# KiCad board USB Cable Tester.kicad_pcb (continued)
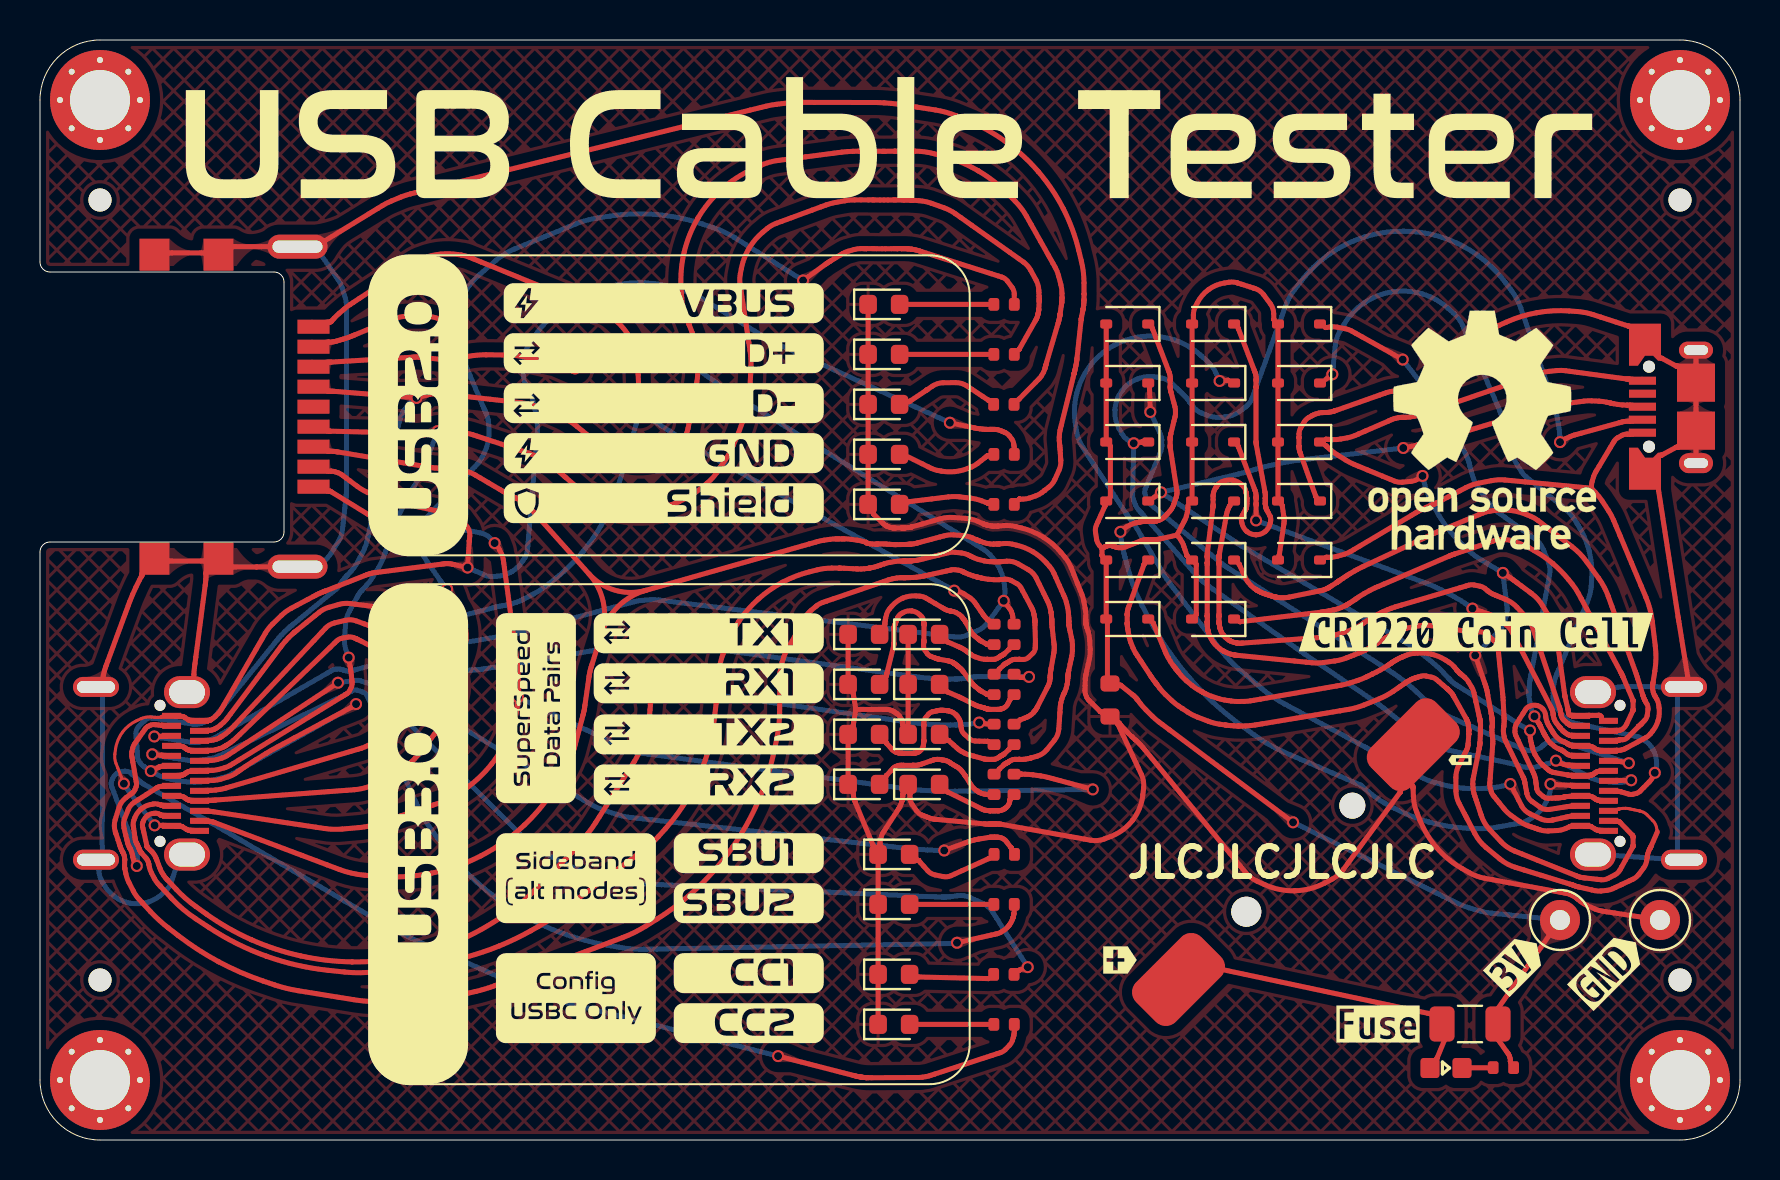
[diagram p0: board, top side]
## Routing (per net, layer and track width the routed paths; a pad name or vN(x,y) marks a point on that pad's centre or on a via; arc(x,y) is an arc through that point) (continued)
/CC1: length 48.5
  Top w0.25: 48.97,8.49 48.97,8.49 arc(48.97,8.49) 48.97,8.49 arc(48.97,8.49) 48.97,8.49 v1(49.39,8.64) ; v1(14.9,22.86) 9.68,19.43 9.34,19.21 arc(9.23,19.15) 9.1,19.1 8.85,19.02 arc(8.72,18.99) 8.58,18.98 8.39,18.98 arc(8.33,18.98) 8.26,18.98 J2.A5
  Bottom w0.25: v1(49.39,8.64) 47.63,11.4 arc(47.42,11.65) 47.14,11.83 46.52,12.12 arc(46.21,12.21) 45.88,12.22 45.48,12.16 arc(45.43,12.16) 45.39,12.15 45.3,12.15 arc(45.26,12.15) 45.22,12.15 45.14,12.15 arc(45.11,12.15) 45.08,12.15 44.77,12.16 arc(44.44,12.17) 44.1,12.18 31.09,12.77 29.71,12.83 arc(29.26,12.87) 28.81,12.95 28.36,13.06 arc(27.48,13.3) 26.63,13.63 arc(25.81,14.04) 25.03,14.52 24.65,14.78 arc(24.28,15.05) 23.94,15.36 22.96,16.33 16.83,22.43 16.53,22.73 arc(16.42,22.81) 16.3,22.87 16.04,22.96 arc(15.9,22.99) 15.76,22.98 15.64,22.96 arc(15.63,22.96) 15.62,22.96 arc(15.61,22.96) 15.6,22.96 arc(15.59,22.95) 15.58,22.95 v1(14.9,22.86)
/CC2: length 59.7
  Top w0.25: v1(36.9,4.2) 40.78,3.2 arc(40.81,3.19) 40.85,3.18 40.93,3.17 arc(40.96,3.16) 41,3.16 41.12,3.14 arc(41.14,3.13) 41.17,3.13 41.22,3.13 arc(41.24,3.12) 41.26,3.12 41.32,3.12 arc(41.33,3.12) 41.33,3.12 arc(41.34,3.12) 41.35,3.12 41.42,3.11 arc(41.5,3.11) 41.58,3.11 43.6,3.13 arc(43.62,3.13) 43.63,3.13 arc(43.65,3.13) 43.67,3.13 43.72,3.12 arc(43.73,3.12) 43.75,3.12 43.76,3.12 arc(43.76,3.13) 43.77,3.13 arc(43.77,3.13) 43.78,3.13 43.79,3.13 arc(43.81,3.13) 43.82,3.13 43.94,3.13 arc(44.03,3.13) 44.12,3.14 44.29,3.17 arc(44.38,3.18) 44.47,3.21 44.72,3.29 48.02,4.37 arc(48.16,4.43) 48.27,4.52 48.48,4.74 arc(48.57,4.86) 48.63,4.99 48.67,5.14 arc(48.67,5.14) 48.67,5.14 arc(48.67,5.14) 48.67,5.14 48.68,5.2 48.69,5.23 arc(48.7,5.26) 48.7,5.29 48.71,5.36 arc(48.71,5.39) 48.71,5.43 48.71,5.46 ; v1(4.84,13.7) 4.75,13.85 arc(4.72,13.9) 4.7,13.95 4.67,14.05 arc(4.65,14.1) 4.64,14.15 4.62,14.27 arc(4.61,14.32) 4.59,14.37 4.56,14.46 arc(4.54,14.51) 4.52,14.55 4.47,14.64 arc(4.45,14.68) 4.43,14.71 4.4,14.79 arc(4.39,14.82) 4.38,14.86 4.2,15.61 arc(4.18,15.84) 4.23,16.07 4.41,16.52 arc(4.53,16.72) 4.7,16.88 5.32,17.27 5.86,17.62 arc(5.89,17.64) 5.93,17.65 5.99,17.67 arc(6.03,17.68) 6.07,17.68 6.16,17.68 arc(6.23,17.68) 6.29,17.69 J2.B5
  Bottom w0.25: v1(36.9,4.2) 27.27,6.63 26.26,6.88 arc(25.93,6.97) 25.6,7.08 24.94,7.3 arc(24.61,7.42) 24.29,7.56 23.34,7.98 18.92,9.93 18.4,10.16 arc(18.23,10.24) 18.06,10.32 17.72,10.5 arc(17.56,10.58) 17.39,10.68 8.62,15.82 arc(8.61,15.83) 8.6,15.83 arc(8.6,15.84) 8.59,15.84 5.2,17.78 5.15,17.81 arc(5.14,17.82) 5.12,17.83 5.09,17.86 arc(5.07,17.87) 5.06,17.88 4.53,18.35 arc(4.44,18.41) 4.34,18.43 4.24,18.44 arc(4.03,18.42) 3.84,18.33 arc(3.7,18.19) 3.6,18 3.57,17.9 arc(3.55,17.8) 3.57,17.7 3.69,17.4 4.48,15.27 arc(4.49,15.27) 4.49,15.26 arc(4.49,15.25) 4.5,15.24 4.7,14.73 4.81,14.44 arc(4.84,14.34) 4.86,14.23 4.88,14.03 arc(4.88,13.92) 4.86,13.82 4.84,13.72 arc(4.84,13.72) 4.84,13.71 v1(4.84,13.7)
/D+: length 77.9
  Top w0.25: v1(15.43,24.12) 15.52,23.6 arc(15.54,23.5) 15.55,23.41 15.57,23.22 arc(15.58,23.12) 15.59,23.03 15.6,22.81 arc(15.6,22.72) 15.56,22.63 15.48,22.46 arc(15.42,22.38) 15.35,22.32 9.94,19 9.53,18.74 arc(9.39,18.67) 9.24,18.61 8.93,18.53 arc(8.77,18.49) 8.61,18.48 8.39,18.48 arc(8.33,18.48) 8.26,18.48 7.69,18.44 arc(7.63,18.43) 7.56,18.43 7.5,18.43 arc(7.49,18.43) 7.49,18.43 7.48,18.43 arc(7.48,18.43) 7.47,18.43 7.4,18.41 arc(7.38,18.4) 7.36,18.4 7.33,18.37 arc(7.31,18.36) 7.29,18.35 7.28,18.34 arc(7.28,18.34) 7.28,18.33 arc(7.27,18.33) 7.27,18.33 7.26,18.32 arc(7.24,18.3) 7.23,18.29 7.19,18.27 arc(7.17,18.26) 7.15,18.26 7.09,18.24 arc(7.08,18.24) 7.08,18.24 arc(7.08,18.24) 7.07,18.23 7.06,18.23 arc(7.06,18.23) 7.06,18.23 6.99,18.23 arc(6.93,18.23) 6.86,18.23 J2.B6 ; 48.96,39.54 48.96,39.54 arc(48.96,39.54) 48.96,39.54 48.96,39.54 arc(48.96,39.54) 48.96,39.54 48.96,39.55 arc(48.97,39.55) 48.97,39.55 arc(48.97,39.55) 48.97,39.55 49.75,40.94 49.8,41.02 arc(49.82,41.05) 49.83,41.08 49.86,41.14 arc(49.87,41.17) 49.88,41.21 49.89,41.27 arc(49.9,41.3) 49.91,41.34 49.91,41.34 arc(49.92,41.37) 49.92,41.39 49.93,41.43 arc(49.93,41.45) 49.93,41.47 49.94,41.5 arc(49.94,41.51) 49.94,41.53 arc(49.94,41.55) 49.94,41.56 49.96,41.95 arc(49.96,41.97) 49.96,41.98 49.96,42 arc(49.96,42.01) 49.96,42.02 49.94,42.48 arc(49.9,42.75) 49.8,43 49.53,43.49 arc(49.38,43.71) 49.17,43.9 48.49,44.38 46.57,45.74 45.77,46.31 arc(45.5,46.48) 45.2,46.61 44.58,46.83 arc(44.27,46.92) 43.95,46.97 43.53,47 arc(43.49,47) 43.44,47 43.35,47 arc(43.3,47) 43.26,47 43.23,47 arc(43.21,47) 43.2,47 arc(43.19,47) 43.17,47 43.16,47 arc(43.14,47) 43.11,47 42.79,47 arc(42.76,47) 42.73,47 arc(42.7,47) 42.67,47 42.4,47 arc(42.3,47) 42.19,47 arc(42.09,47) 41.99,47 41.71,47 arc(41.69,47) 41.66,47 arc(41.63,47) 41.61,47 40.74,47.01 arc(40.5,46.99) 40.25,46.96 39.77,46.88 arc(39.53,46.82) 39.3,46.75 38.6,46.49 37.57,46.11 36.81,45.83 arc(36.57,45.72) 36.35,45.57 36.14,45.39 arc(35.76,45.01) 35.45,44.58 arc(35.22,44.1) 35.07,43.58 35.02,43.31 arc(34.99,43.05) 35.01,42.78 35.13,41.98 35.5,39.48 arc(35.54,39.07) 35.55,38.67 35.53,38.26 arc(35.46,37.45) 35.32,36.65 arc(35.11,35.87) 34.82,35.11 34.66,34.73 arc(34.48,34.37) 34.27,34.02 34.05,33.69 arc(34.05,33.68) 34.04,33.67 arc(34.03,33.66) 34.03,33.65 33.84,33.37 arc(33.63,33.1) 33.38,32.86 33.12,32.64 arc(32.56,32.24) 31.95,31.92 arc(31.3,31.68) 30.63,31.55 arc(29.94,31.5) 29.26,31.56 arc(28.59,31.71) 27.94,31.95 27.63,32.09 arc(27.33,32.26) 27.05,32.46 25.69,33.64 arc(25.51,33.78) 25.31,33.91 24.89,34.15 arc(24.68,34.25) 24.46,34.34 23.78,34.56 22.35,35.03 21.64,35.26 arc(21.4,35.33) 21.16,35.37 20.66,35.44 arc(20.41,35.46) 20.16,35.46 v1(19.88,35.44) 19.22,35.27 arc(19.13,35.25) 19.04,35.24 18.85,35.23 arc(18.76,35.22) 18.67,35.23 17.98,35.32 arc(17.87,35.33) 17.75,35.34 17.53,35.36 arc(17.41,35.37) 17.3,35.37 16.96,35.38 14.52,35.44 arc(14.5,35.44) 14.49,35.44 arc(14.47,35.44) 14.46,35.44 14.41,35.44 arc(14.35,35.45) 14.29,35.46 13.68,35.67
  Bottom w0.25: v1(19.88,35.44) 19.32,33.96 19.25,33.77 arc(19.17,33.59) 19.09,33.41 18.91,33.05 arc(18.82,32.88) 18.71,32.71 18.54,32.44 arc(18.49,32.36) 18.45,32.28 18.36,32.12 arc(18.32,32.04) 18.28,31.96 17.89,31.1 arc(17.88,31.08) 17.87,31.06 17.85,31.01 arc(17.84,30.99) 17.83,30.96 17.81,30.89 17.26,29.36 17.16,29.1 arc(17.06,28.85) 16.92,28.61 16.63,28.14 arc(16.48,27.91) 16.3,27.7 16.06,27.45 arc(16.03,27.42) 16.01,27.39 15.96,27.33 arc(15.94,27.3) 15.92,27.26 15.72,26.89 15.48,26.45 arc(15.35,26.14) 15.28,25.81 15.23,25.13 arc(15.23,24.79) 15.31,24.47 v1(15.43,24.12)
/D-: length 107.4
  Top w0.25: 48.95,37.04 48.95,37.04 arc(48.95,37.04) 48.95,37.04 48.95,37.04 arc(48.95,37.04) 48.95,37.04 49.97,38.08 arc(50.03,38.15) 50.08,38.22 50.17,38.38 arc(50.21,38.46) 50.24,38.55 50.28,38.7 arc(50.28,38.7) 50.28,38.7 arc(50.28,38.71) 50.28,38.71 50.28,38.72 arc(50.29,38.73) 50.29,38.74 50.3,38.78 arc(50.31,38.82) 50.33,38.87 50.93,40.93 arc(50.94,40.97) 50.95,41.01 50.97,41.08 arc(50.98,41.12) 50.98,41.15 50.99,41.18 arc(50.99,41.19) 50.99,41.2 arc(50.99,41.2) 50.99,41.21 50.99,41.23 arc(50.99,41.24) 51,41.25 arc(51,41.27) 51,41.28 51,41.28 arc(51,41.29) 51,41.31 51.07,41.72 arc(51.07,41.77) 51.08,41.81 51.09,41.85 arc(51.09,41.86) 51.09,41.86 arc(51.09,41.86) 51.09,41.86 51.09,41.89 arc(51.09,41.92) 51.09,41.95 51.1,42.01 arc(51.1,42.04) 51.1,42.07 51.1,42.33 arc(51.08,42.56) 51.04,42.78 50.93,43.22 arc(50.85,43.43) 50.76,43.64 49.56,45.77 49.32,46.19 arc(49.06,46.59) 48.75,46.95 48.42,47.29 arc(47.7,47.92) 46.91,48.46 arc(46.06,48.88) 45.16,49.19 44.7,49.32 arc(44.23,49.41) 43.75,49.44 42.78,49.44 42.74,49.44 arc(42.72,49.44) 42.7,49.44 42.26,49.44 arc(42.23,49.44) 42.19,49.44 arc(42.16,49.44) 42.13,49.44 41.69,49.44 arc(41.67,49.44) 41.65,49.44 arc(41.62,49.44) 41.6,49.44 41.21,49.44 arc(41.17,49.44) 41.14,49.44 41.12,49.44 arc(41.1,49.44) 41.09,49.44 40.93,49.44 arc(40.79,49.44) 40.65,49.44 40.37,49.42 arc(40.23,49.41) 40.09,49.39 39.67,49.34 36.9,48.98 arc(36.45,48.88) 36.02,48.72 35.6,48.53 arc(34.8,48.08) 34.07,47.52 arc(33.43,46.86) 32.9,46.11 arc(32.49,45.28) 32.21,44.41 arc(32.07,43.5) 32.06,42.58 32.09,42.12 arc(32.15,41.66) 32.28,41.22 32.44,40.8 arc(32.45,40.79) 32.45,40.78 arc(32.46,40.76) 32.46,40.75 32.61,40.37 arc(32.73,39.96) 32.8,39.54 32.88,38.7 arc(32.88,38.27) 32.83,37.85 32.59,36.57 32.4,35.58 arc(32.3,35.27) 32.12,35 31.91,34.75 arc(31.42,34.31) 30.85,34.01 arc(30.21,33.87) 29.56,33.89 29.23,33.95 arc(28.92,34.04) 28.64,34.21 27.88,34.84 26.84,35.69 arc(26.42,35.98) 25.97,36.21 25.03,36.61 arc(24.55,36.77) 24.05,36.86 23.54,36.92 22.52,37.04 20.01,37.32 arc(19.92,37.33) 19.83,37.33 19.65,37.31 arc(19.57,37.3) 19.48,37.28 v1(18.82,37.1) 14.79,37.43 14.69,37.43 arc(14.66,37.44) 14.63,37.44 14.57,37.44 arc(14.54,37.44) 14.51,37.44 14.41,37.44 arc(14.35,37.45) 14.29,37.46 13.68,37.67 ; v1(5.54,18.45) 5.54,18.45 arc(5.55,18.45) 5.55,18.45 5.56,18.45 arc(5.56,18.46) 5.57,18.46 5.92,18.63 arc(5.93,18.63) 5.93,18.64 5.94,18.64 arc(5.94,18.64) 5.95,18.64 arc(5.95,18.65) 5.96,18.65 5.97,18.66 arc(5.99,18.66) 6.01,18.67 6.04,18.68 arc(6.06,18.68) 6.08,18.68 6.16,18.68 arc(6.23,18.68) 6.29,18.69 J2.B7 ; v1(15.8,21.8) 15.8,21.79 arc(15.79,21.79) 15.79,21.79 15.77,21.77 arc(15.74,21.75) 15.71,21.73 15.65,21.69 arc(15.62,21.67) 15.59,21.65 15.5,21.6 12.69,20.09 11.86,19.65 arc(11.59,19.49) 11.32,19.33 10.78,19.01 arc(10.51,18.84) 10.25,18.66 9.78,18.34 arc(9.61,18.24) 9.42,18.16 9.04,18.04 arc(8.85,18) 8.65,17.98 8.39,17.98 arc(8.33,17.98) 8.26,17.98 J2.A7
  Bottom w0.25: v1(18.82,37.1) 18.81,37.1 arc(18.81,37.09) 18.8,37.09 18.66,37 arc(18.52,36.89) 18.4,36.76 18.19,36.47 arc(18.1,36.32) 18.04,36.16 17.89,35.64 16.77,31.71 arc(16.73,31.56) 16.69,31.41 arc(16.65,31.25) 16.62,31.1 16.34,29.92 arc(16.26,29.65) 16.14,29.39 15.87,28.88 arc(15.72,28.64) 15.54,28.42 15.29,28.15 arc(15.25,28.11) 15.22,28.07 15.15,27.99 arc(15.12,27.95) 15.09,27.91 15.07,27.87 arc(15.06,27.86) 15.06,27.85 arc(15.06,27.85) 15.05,27.84 15.02,27.8 arc(14.99,27.75) 14.95,27.7 14.87,27.61 arc(14.83,27.57) 14.78,27.53 14.65,27.41 12.6,25.74 arc(12.57,25.71) 12.53,25.68 12.5,25.66 arc(12.5,25.65) 12.49,25.65 12.4,25.57 arc(12.32,25.5) 12.24,25.42 12.08,25.26 arc(12,25.17) 11.93,25.09 8.8,21.23 arc(8.65,21.09) 8.47,20.99 8.07,20.84 arc(7.87,20.79) 7.67,20.79 7.04,20.89 6.02,21.05 arc(5.95,21.06) 5.88,21.07 5.81,21.08 arc(5.81,21.08) 5.81,21.08 5.6,21.1 arc(5.4,21.08) 5.24,20.97 4.93,20.68 arc(4.83,20.52) 4.8,20.32 4.84,19.69 4.88,19.15 arc(4.9,19.06) 4.93,18.99 5.02,18.84 arc(5.07,18.77) 5.13,18.72 5.21,18.67 arc(5.21,18.67) 5.21,18.66 arc(5.21,18.66) 5.21,18.66 v1(5.54,18.45) 5.55,18.44 arc(5.55,18.44) 5.56,18.43 5.8,18.3 arc(6.06,18.18) 6.33,18.1 6.61,18.03 arc(7.16,17.92) 7.73,17.89 arc(8.29,17.93) 8.85,18.04 9.12,18.11 arc(9.39,18.2) 9.65,18.33 10.39,18.74 15.52,21.61 15.61,21.66 arc(15.64,21.68) 15.66,21.69 15.72,21.73 arc(15.74,21.75) 15.77,21.77 15.79,21.79 arc(15.79,21.79) 15.8,21.79 v1(15.8,21.8)
/RX1+: length 73.3
  Top w0.25: 47.96,23.54 47.96,23.54 arc(47.96,23.54) 47.96,23.54 47.96,23.54 arc(47.97,23.54) 47.97,23.54 48.2,23.77 arc(48.21,23.78) 48.22,23.78 48.24,23.8 arc(48.25,23.81) 48.26,23.81 48.28,23.82 arc(48.28,23.82) 48.29,23.82 48.3,23.83 arc(48.32,23.84) 48.34,23.85 48.35,23.86 arc(48.37,23.87) 48.38,23.88 arc(48.4,23.89) 48.42,23.9 48.54,23.98 arc(48.57,23.99) 48.6,24 48.66,24.02 arc(48.7,24.03) 48.73,24.03 48.94,24.03 arc(48.95,24.03) 48.95,24.03 48.96,24.03 arc(48.97,24.03) 48.97,24.03 48.97,24.03 arc(48.97,24.03) 48.98,24.03 arc(48.98,24.03) 48.98,24.03 48.99,24.03 arc(48.99,24.03) 49,24.03 49.01,24.03 arc(49.01,24.03) 49.02,24.03 arc(49.02,24.03) 49.03,24.03 49.17,24.03 arc(49.31,24.06) 49.43,24.13 49.65,24.34 arc(49.73,24.46) 49.76,24.6 49.77,24.86 arc(49.77,24.88) 49.77,24.9 arc(49.77,24.93) 49.77,24.95 49.75,25.75 arc(49.75,25.8) 49.75,25.86 49.75,25.9 arc(49.75,25.91) 49.75,25.92 arc(49.75,25.92) 49.75,25.93 49.75,25.94 arc(49.75,25.95) 49.75,25.96 49.74,25.98 arc(49.74,25.99) 49.74,26.01 arc(49.74,26.02) 49.74,26.03 49.74,26.03 arc(49.74,26.04) 49.74,26.05 arc(49.73,26.07) 49.73,26.08 49.73,26.09 arc(49.73,26.09) 49.73,26.09 arc(49.73,26.1) 49.73,26.1 49.69,26.31 arc(49.68,26.35) 49.67,26.4 49.64,26.5 arc(49.62,26.54) 49.6,26.59 49.05,27.61 arc(48.96,27.73) 48.84,27.82 48.56,27.97 arc(48.42,28.03) 48.26,28.04 48.11,28.03 arc(48.11,28.03) 48.1,28.03 arc(48.09,28.02) 48.08,28.02 47.96,28.02 arc(47.82,28.01) 47.69,28.02 47.43,28.04 arc(47.3,28.05) 47.17,28.08 46.82,28.16 arc(46.73,28.18) 46.64,28.21 46.46,28.28 arc(46.37,28.31) 46.28,28.35 46.09,28.44 arc(46.01,28.48) 45.92,28.49 45.75,28.51 arc(45.66,28.52) 45.57,28.5 44.19,28.2 arc(44.1,28.18) 44.01,28.17 43.84,28.14 arc(43.75,28.13) 43.66,28.13 43.57,28.12 arc(43.57,28.12) 43.57,28.12 43.54,28.12 arc(43.52,28.12) 43.5,28.12 arc(43.48,28.12) 43.47,28.12 43.43,28.12 arc(43.4,28.12) 43.37,28.12 arc(43.34,28.12) 43.31,28.12 43.26,28.12 arc(43.25,28.12) 43.24,28.12 43.21,28.12 arc(43.21,28.12) 43.2,28.12 43.19,28.12 arc(43.19,28.12) 43.18,28.12 43.16,28.12 arc(43.14,28.12) 43.12,28.12 43.01,28.11 arc(42.92,28.11) 42.82,28.1 42.64,28.06 arc(42.55,28.04) 42.46,28.02 42.2,27.93 39.66,27.06 39.14,26.88 arc(38.97,26.8) 38.82,26.7 38.53,26.46 arc(38.4,26.33) 38.3,26.18 38.02,25.69 37.3,24.41 arc(37.24,24.28) 37.19,24.14 37.1,23.87 arc(37.06,23.73) 37.03,23.58 37.01,23.35 arc(37,23.3) 37,23.25 36.99,23.16 arc(36.99,23.11) 36.99,23.07 36.99,22.8 arc(36.99,22.76) 36.99,22.72 arc(36.99,22.67) 36.99,22.63 36.98,21.38 arc(36.94,20.73) 36.84,20.08 36.7,19.43 arc(36.37,18.16) 35.91,16.94 arc(35.33,15.76) 34.63,14.65 arc(33.83,13.61) 32.92,12.66 arc(31.93,11.8) 30.86,11.05 30.3,10.7 arc(29.72,10.38) 29.12,10.12 27.27,9.42 24.2,8.27 22.76,7.72 arc(22.28,7.56) 21.78,7.43 21.28,7.31 arc(20.28,7.11) 19.26,6.97 arc(18.24,6.9) 17.21,6.9 16.7,6.92 arc(16.19,6.95) 15.68,7.02 14.38,7.23 13.8,7.32 12.89,7.47 arc(12.3,7.59) 11.72,7.76 11.15,7.95 arc(10.02,8.39) 8.93,8.91 arc(7.89,9.53) 6.9,10.23 6.42,10.6 arc(5.96,10.99) 5.53,11.42 5.12,11.86 arc(5.12,11.86) 5.11,11.86 arc(5.11,11.87) 5.11,11.87 4.95,12.04 arc(4.79,12.23) 4.67,12.44 4.45,12.88 arc(4.35,13.1) 4.29,13.33 4.24,13.57 arc(4.24,13.57) 4.24,13.58 arc(4.24,13.58) 4.24,13.59 4.24,13.6 arc(4.23,13.62) 4.23,13.63 4.23,13.67 arc(4.23,13.68) 4.23,13.7 4.23,13.98 arc(4.23,13.99) 4.23,14 arc(4.23,14.01) 4.23,14.02 4.23,14.06 arc(4.23,14.11) 4.22,14.16 4.2,14.26 arc(4.18,14.31) 4.16,14.35 4.13,14.4 arc(4.13,14.41) 4.12,14.42 4.11,14.44 arc(4.09,14.48) 4.08,14.51 4.05,14.58 arc(4.03,14.61) 4.02,14.65 3.77,15.41 arc(3.72,15.72) 3.76,16.02 3.95,16.62 arc(4.09,16.9) 4.3,17.12 4.64,17.37 arc(4.7,17.43) 4.74,17.51 4.81,17.67 arc(4.83,17.75) 4.82,17.84 4.78,18.09 4.64,18.91 4.59,19.21 arc(4.58,19.31) 4.59,19.41 4.64,19.61 arc(4.67,19.7) 4.72,19.79 5.28,20.58 arc(5.33,20.64) 5.4,20.68 5.54,20.75 arc(5.61,20.77) 5.69,20.77 6.09,20.73 arc(6.09,20.73) 6.09,20.73 arc(6.09,20.73) 6.09,20.73 6.1,20.73 arc(6.1,20.73) 6.1,20.73 6.16,20.73 arc(6.23,20.73) 6.29,20.73 J2.B11
/RX1-: length 46.4
  Top w0.25: v1(5.71,20.18) 5.78,20.18 arc(5.78,20.18) 5.78,20.18 arc(5.78,20.18) 5.78,20.18 6.1,20.18 arc(6.1,20.18) 6.1,20.18 6.16,20.18 arc(6.23,20.18) 6.29,20.19 J2.B10 ; v1(49.45,23.16) 49.13,23.14 arc(49.11,23.13) 49.09,23.13 49.08,23.13 arc(49.06,23.13) 49.04,23.13 49.03,23.13 arc(49.02,23.13) 49.02,23.13 49.02,23.13 arc(49.02,23.13) 49.02,23.13
  Bottom w0.25: v1(49.45,23.16) 47.08,23.17 46.92,23.17 arc(46.86,23.17) 46.81,23.16 46.7,23.15 arc(46.65,23.15) 46.59,23.14 46.43,23.11 arc(46.34,23.09) 46.25,23.08 46.07,23.07 arc(45.98,23.06) 45.89,23.05 45.72,23.05 45.51,23.05 arc(45.26,23.05) 45.01,23.06 44.5,23.08 arc(44.25,23.1) 44,23.13 43.25,23.24 30.83,24.94 arc(30.75,24.95) 30.66,24.95 30.49,24.95 arc(30.4,24.94) 30.32,24.93 30.07,24.89 23.83,23.81 arc(23.78,23.8) 23.72,23.79 23.67,23.79 arc(23.66,23.78) 23.65,23.78 23.65,23.78 arc(23.65,23.78) 23.64,23.78 arc(23.64,23.78) 23.64,23.78 22.32,23.58 22.08,23.54 arc(22.01,23.53) 21.93,23.52 21.77,23.51 arc(21.69,23.5) 21.61,23.5 21.37,23.49 20.33,23.46 arc(20.18,23.46) 20.03,23.47 19.73,23.51 arc(19.58,23.53) 19.43,23.56 18.99,23.68 18.1,23.92 arc(18.09,23.93) 18.08,23.93 18.08,23.93 arc(18.07,23.93) 18.06,23.93 arc(18.06,23.94) 18.05,23.94 17.97,23.96 arc(17.88,23.98) 17.79,23.99 17.61,23.99 arc(17.52,23.98) 17.43,23.96 17.16,23.89 15.57,23.46 arc(15.52,23.45) 15.47,23.44 15.38,23.45 arc(15.33,23.45) 15.28,23.46 15.03,23.54 arc(14.96,23.55) 14.89,23.55 14.75,23.53 arc(14.68,23.52) 14.62,23.49 14.44,23.38 9.32,20.44 8.76,20.12 arc(8.57,20.03) 8.37,19.97 7.95,19.9 arc(7.74,19.88) 7.53,19.89 6.9,19.99 6.06,20.11 arc(6.05,20.12) 6.04,20.12 arc(6.03,20.12) 6.02,20.12 5.99,20.13 arc(5.98,20.13) 5.97,20.13 5.96,20.13 arc(5.96,20.13) 5.96,20.13 arc(5.95,20.14) 5.95,20.14 5.92,20.14 arc(5.89,20.15) 5.86,20.16 5.8,20.17 arc(5.77,20.17) 5.74,20.17 v1(5.71,20.18)
/RX2+: length 86.7
  Top w0.25: 28.09,25.34 27.57,23.68 27.55,23.62 arc(27.53,23.55) 27.51,23.49 27.49,23.37 arc(27.47,23.3) 27.46,23.24 27.43,23.05 27.23,21.61 arc(27.22,21.56) 27.21,21.51 27.19,21.42 arc(27.18,21.37) 27.17,21.32 27.08,20.99 26.71,19.59 arc(26.5,18.96) 26.2,18.37 25.86,17.8 arc(25.11,16.71) 24.21,15.74 arc(23.18,14.9) 22.05,14.21 arc(20.84,13.69) 19.56,13.34 arc(18.25,13.17) 16.92,13.18 16.26,13.24 arc(15.6,13.34) 14.97,13.53 13.1,14.23 8.72,15.87 8.64,15.9 arc(8.62,15.91) 8.59,15.92 8.54,15.93 arc(8.51,15.93) 8.48,15.93 8.39,15.93 arc(8.33,15.93) 8.26,15.94 J2.A11 ; 28.09,25.34 arc(28.92,26.69) 30.29,27.48 ; 28.09,25.34 arc(28.16,26.91) 27.45,28.31 ; 27.45,28.31 24.5,31.6 arc(24.42,31.69) 24.32,31.77 24.11,31.92 arc(24.01,31.99) 23.9,32.05 23.76,32.11 arc(23.75,32.12) 23.73,32.13 23.67,32.16 arc(23.59,32.19) 23.51,32.23 23.36,32.31 arc(23.29,32.35) 23.21,32.4 21.76,33.25 arc(21.53,33.36) 21.29,33.44 20.78,33.57 arc(20.53,33.61) 20.27,33.61 19.93,33.6 arc(19.88,33.59) 19.83,33.6 19.73,33.6 arc(19.68,33.61) 19.63,33.61 14.78,34.42 arc(14.74,34.43) 14.69,34.43 14.61,34.44 arc(14.56,34.44) 14.52,34.44 14.41,34.44 arc(14.35,34.45) 14.29,34.46 13.68,34.67 ; 27.45,28.31 arc(28.75,27.49) 30.29,27.48 ; 30.29,27.48 38.47,29.8 38.9,29.93 arc(39.05,29.96) 39.2,29.99 39.49,30.03 arc(39.64,30.05) 39.79,30.05 40.23,30.06 arc(40.39,30.05) 40.55,30.04 40.86,29.99 arc(41.01,29.96) 41.16,29.93 41.3,29.89 arc(41.31,29.88) 41.31,29.87 arc(41.31,29.86) 41.32,29.85 41.37,29.84 arc(41.44,29.82) 41.5,29.81 41.63,29.8 arc(41.7,29.79) 41.76,29.79 41.92,29.8 arc(41.98,29.8) 42.04,29.8 42.17,29.8 arc(42.23,29.8) 42.29,29.8 42.67,29.77 arc(42.69,29.77) 42.7,29.77 42.73,29.77 arc(42.75,29.77) 42.77,29.77 43.06,29.77 arc(43.09,29.77) 43.12,29.77 43.13,29.77 arc(43.15,29.77) 43.17,29.77 arc(43.2,29.77) 43.22,29.77 43.25,29.78 arc(43.3,29.78) 43.35,29.78 43.39,29.78 arc(43.41,29.78) 43.42,29.79 43.55,29.79 arc(43.59,29.8) 43.64,29.8 43.72,29.82 arc(43.76,29.82) 43.81,29.83 44.99,30.15 45.22,30.21 arc(45.45,30.25) 45.69,30.26 46.16,30.22 arc(46.39,30.18) 46.62,30.1 46.84,30 arc(46.86,30) 46.87,29.99 46.9,29.98 arc(46.94,29.96) 46.99,29.95 47.19,29.87 arc(47.27,29.85) 47.35,29.83 47.51,29.8 arc(47.59,29.79) 47.67,29.79 47.86,29.8 arc(47.89,29.8) 47.92,29.8 47.94,29.8 arc(47.95,29.81) 47.96,29.81 48.19,29.82 arc(48.41,29.82) 48.63,29.79 48.84,29.74 arc(49.26,29.61) 49.65,29.41 arc(50,29.16) 50.32,28.86 50.46,28.69 arc(50.6,28.52) 50.7,28.33 51.23,27.13 arc(51.28,27.01) 51.32,26.89 51.38,26.64 arc(51.4,26.51) 51.42,26.38 51.43,26.19 arc(51.43,26.16) 51.44,26.12 51.44,26.11 arc(51.44,26.09) 51.44,26.06 arc(51.44,26.04) 51.44,26.01 51.44,25.96 arc(51.44,25.95) 51.44,25.94 arc(51.44,25.94) 51.44,25.93 51.44,25.91 arc(51.44,25.9) 51.44,25.89 arc(51.44,25.88) 51.44,25.87 51.45,25.79 arc(51.45,25.78) 51.45,25.77 51.45,25.73 arc(51.45,25.71) 51.46,25.69 51.46,25.64 arc(51.47,25.62) 51.47,25.6 51.59,25.01 arc(51.61,24.88) 51.62,24.74 51.62,24.47 arc(51.61,24.34) 51.59,24.2 51.43,23.42 arc(51.42,23.4) 51.42,23.38 51.41,23.34 arc(51.41,23.32) 51.41,23.3 51.39,23.19 arc(51.39,23.18) 51.39,23.16 51.39,23.13 arc(51.39,23.12) 51.39,23.11 51.39,23.1 arc(51.39,23.09) 51.39,23.08 arc(51.39,23.08) 51.39,23.07 51.38,22.98 arc(51.37,22.89) 51.36,22.79 51.31,22.61 arc(51.28,22.51) 51.25,22.42 51.21,22.35 arc(51.21,22.34) 51.2,22.32 arc(51.2,22.31) 51.19,22.3 51.16,22.23 arc(51.12,22.14) 51.09,22.05 51.04,21.87 arc(51.03,21.77) 51.02,21.68 50.99,21.32 50.94,20.54 arc(50.87,20.25) 50.73,19.99 50.34,19.51 arc(50.12,19.31) 49.85,19.19 49.55,19.1 arc(49.55,19.1) 49.55,19.1 arc(49.55,19.1) 49.55,19.1 49.46,19.08 arc(49.46,19.08) 49.46,19.08 49.4,19.07 arc(49.35,19.06) 49.3,19.05 49.19,19.03 arc(49.13,19.03) 49.08,19.03 49.03,19.03 arc(49.02,19.03) 49.02,19.03 arc(49.01,19.03) 49.01,19.03 49,19.03 arc(48.99,19.03) 48.99,19.03 48.98,19.03 arc(48.98,19.03) 48.98,19.03 arc(48.97,19.03) 48.97,19.03 48.97,19.03 arc(48.97,19.03) 48.96,19.03 48.95,19.03 arc(48.95,19.03) 48.94,19.03 48.73,19.03 arc(48.7,19.03) 48.66,19.02 48.6,19 arc(48.57,18.99) 48.54,18.98 48.43,18.9 arc(48.42,18.9) 48.42,18.9 arc(48.42,18.9) 48.42,18.9 48.41,18.9 arc(48.41,18.89) 48.4,18.89 48.37,18.87 arc(48.36,18.87) 48.36,18.86 48.35,18.86 arc(48.35,18.86) 48.35,18.86 arc(48.35,18.86) 48.35,18.86 48.34,18.85 arc(48.32,18.84) 48.31,18.83 48.29,18.82 arc(48.28,18.82) 48.28,18.82 48.26,18.81 arc(48.25,18.81) 48.24,18.8 48.22,18.78 arc(48.21,18.78) 48.2,18.77 47.97,18.54 arc(47.97,18.54) 47.96,18.54 47.96,18.54 arc(47.96,18.54) 47.96,18.54 47.96,18.54
/RX2-: length 70.2
  Top w0.25: J2.A10 8.26,16.44 arc(8.33,16.43) 8.39,16.43 8.47,16.43 arc(8.49,16.43) 8.51,16.43 8.56,16.43 arc(8.58,16.43) 8.6,16.42 8.66,16.41 14.24,15.57 arc(14.67,15.53) 15.1,15.55 15.96,15.62 arc(16.39,15.68) 16.8,15.8 18.8,16.46 20.1,16.89 arc(20.51,17.07) 20.9,17.3 21.27,17.56 arc(21.97,18.14) 22.58,18.8 arc(23.09,19.55) 23.48,20.37 23.65,20.79 arc(23.79,21.22) 23.86,21.67 v1(23.9,22.14) 23.91,22.24 arc(23.91,22.34) 23.92,22.43 23.92,22.61 arc(23.92,22.71) 23.92,22.8 23.89,23.55 arc(23.89,23.59) 23.89,23.63 23.88,23.7 arc(23.88,23.74) 23.87,23.78 23.86,23.9 23.22,28.6 23.17,29 arc(23.14,29.14) 23.09,29.26 22.98,29.51 arc(22.91,29.63) 22.83,29.74 22.74,29.84 arc(22.74,29.84) 22.73,29.84 v1(22.73,29.85) ; v1(20.2,30.08) 20.14,30.08 19.76,30.06 arc(19.36,30.07) 18.96,30.14 18.17,30.34 arc(17.78,30.47) 17.42,30.65 14.53,32.43 arc(14.53,32.43) 14.52,32.43 14.5,32.44 arc(14.49,32.44) 14.48,32.44 14.41,32.44 arc(14.35,32.45) 14.29,32.46 13.68,32.67 ; v1(52.64,17.53) 50.98,17.97 50.41,18.13 arc(50.22,18.17) 50.03,18.2 49.65,18.26 arc(49.45,18.28) 49.26,18.29 49.05,18.29 arc(49.04,18.29) 49.03,18.29 49.02,18.29
  Bottom w0.25: v1(52.64,17.53) 46.41,17.45 45.4,17.43 arc(45.06,17.44) 44.72,17.45 44.05,17.49 arc(43.72,17.52) 43.38,17.55 42.38,17.69 30.43,19.29 30.03,19.34 arc(29.9,19.37) 29.77,19.4 29.51,19.48 arc(29.38,19.52) 29.26,19.57 28.9,19.75 v1(23.9,22.14) ; v1(22.73,29.85) 22.73,29.85 arc(22.73,29.85) 22.72,29.85 22.52,30.08 arc(22.29,30.26) 22.02,30.36 21.43,30.47 arc(21.13,30.48) 20.85,30.4 v1(20.2,30.08)
/SBU1: length 45.4
  Top w0.25: J2.A8 8.26,17.48 arc(8.33,17.48) 8.39,17.48 8.56,17.48 arc(8.67,17.49) 8.78,17.5 9.01,17.53 arc(9.12,17.55) 9.22,17.58 9.55,17.67 15.54,19.43 16.05,19.58 arc(16.22,19.64) 16.38,19.72 16.69,19.88 arc(16.84,19.97) 16.98,20.08 17.12,20.19 arc(17.12,20.19) 17.13,20.2 arc(17.13,20.2) 17.13,20.21 17.26,20.31 arc(17.38,20.43) 17.48,20.56 17.57,20.71 arc(17.72,21.01) 17.82,21.33 arc(17.87,21.66) 17.87,21.99 17.85,22.16 arc(17.82,22.33) 17.77,22.49 v1(17.69,22.66) ; v1(45.21,14.47) 46.45,14.93 arc(46.52,14.95) 46.59,14.97 46.74,15.01 arc(46.81,15.02) 46.88,15.04 47.43,15.12 arc(47.43,15.12) 47.43,15.12 arc(47.43,15.13) 47.44,15.13 47.46,15.13 arc(47.46,15.13) 47.46,15.13 arc(47.46,15.13) 47.46,15.13 47.5,15.13 arc(47.51,15.14) 47.52,15.14 47.54,15.14 arc(47.55,15.14) 47.56,15.14 arc(47.57,15.14) 47.58,15.14 47.6,15.14 arc(47.62,15.14) 47.65,15.14 47.66,15.14 arc(47.67,15.14) 47.68,15.14 47.69,15.14 arc(47.7,15.14) 47.7,15.14 arc(47.71,15.14) 47.72,15.14 47.72,15.14 arc(47.74,15.14) 47.75,15.14 47.76,15.14 arc(47.78,15.14) 47.81,15.14 47.82,15.14 arc(47.83,15.14) 47.84,15.14 arc(47.85,15.14) 47.86,15.14 47.89,15.14 arc(47.9,15.14) 47.91,15.13 47.94,15.13 arc(47.95,15.13) 47.95,15.13 48.02,15.12 arc(48.07,15.1) 48.12,15.08 48.21,15.03 arc(48.25,15) 48.29,14.96 48.56,14.61 arc(48.56,14.61) 48.56,14.61 arc(48.56,14.61) 48.56,14.6 48.56,14.6 arc(48.56,14.6) 48.56,14.6 48.56,14.6
  Bottom w0.25: v1(17.69,22.66) 17.7,22.65 arc(17.71,22.65) 17.72,22.64 17.75,22.62 arc(17.78,22.6) 17.82,22.58 26.58,17.35 27.5,16.81 arc(27.82,16.64) 28.15,16.51 28.82,16.28 arc(29.17,16.19) 29.52,16.13 30.58,16.01 43.37,14.58 arc(43.62,14.55) 43.88,14.53 44.39,14.5 arc(44.64,14.49) 44.89,14.48 v1(45.21,14.47)
/SBU2: length 52
  Top w0.25: v1(5.61,19.28) 5.62,19.28 arc(5.62,19.28) 5.63,19.28 6.06,19.24 arc(6.06,19.23) 6.07,19.23 6.08,19.23 arc(6.09,19.23) 6.09,19.23 6.16,19.23 arc(6.23,19.23) 6.29,19.23 J2.B8 ; v1(45.85,9.86) 47.54,10.24 47.86,10.31 arc(47.96,10.35) 48.05,10.4 48.23,10.51 arc(48.32,10.58) 48.39,10.65 48.45,10.74 arc(48.46,10.74) 48.46,10.74 48.49,10.78 arc(48.52,10.83) 48.55,10.88 48.6,10.98 arc(48.62,11.03) 48.64,11.09 48.66,11.14 arc(48.66,11.14) 48.66,11.14 arc(48.66,11.14) 48.66,11.14 48.67,11.2 48.68,11.21 arc(48.68,11.23) 48.68,11.24 48.69,11.27 arc(48.69,11.29) 48.69,11.31 48.71,11.46
  Bottom w0.25: v1(45.85,9.86) 45.76,9.85 arc(45.7,9.84) 45.63,9.84 45.5,9.83 arc(45.43,9.82) 45.36,9.82 32.14,9.57 30.22,9.54 arc(29.59,9.56) 28.96,9.64 28.33,9.75 arc(27.09,10.03) 25.88,10.43 arc(24.71,10.94) 23.6,11.57 arc(22.56,12.29) 21.59,13.12 arc(20.71,14.04) 19.92,15.03 19.54,15.55 arc(19.2,16.09) 18.9,16.65 18.11,18.39 16.54,21.81 16.35,22.21 arc(16.27,22.33) 16.15,22.4 15.87,22.49 arc(15.73,22.5) 15.59,22.46 15.25,22.26 arc(15.25,22.26) 15.24,22.25 arc(15.24,22.25) 15.23,22.25 15.22,22.24 arc(15.21,22.24) 15.21,22.24 15.19,22.23 9.66,19.55 8.95,19.21 arc(8.71,19.11) 8.46,19.06 7.95,18.98 arc(7.69,18.96) 7.44,18.98 6.24,19.17 arc(6.17,19.18) 6.1,19.19 arc(6.03,19.2) 5.96,19.22 5.7,19.27 arc(5.69,19.27) 5.68,19.28 5.66,19.28 arc(5.65,19.28) 5.63,19.28 v1(5.61,19.28)
